# KiCad board SevenSegment.kicad_pcb (continued)
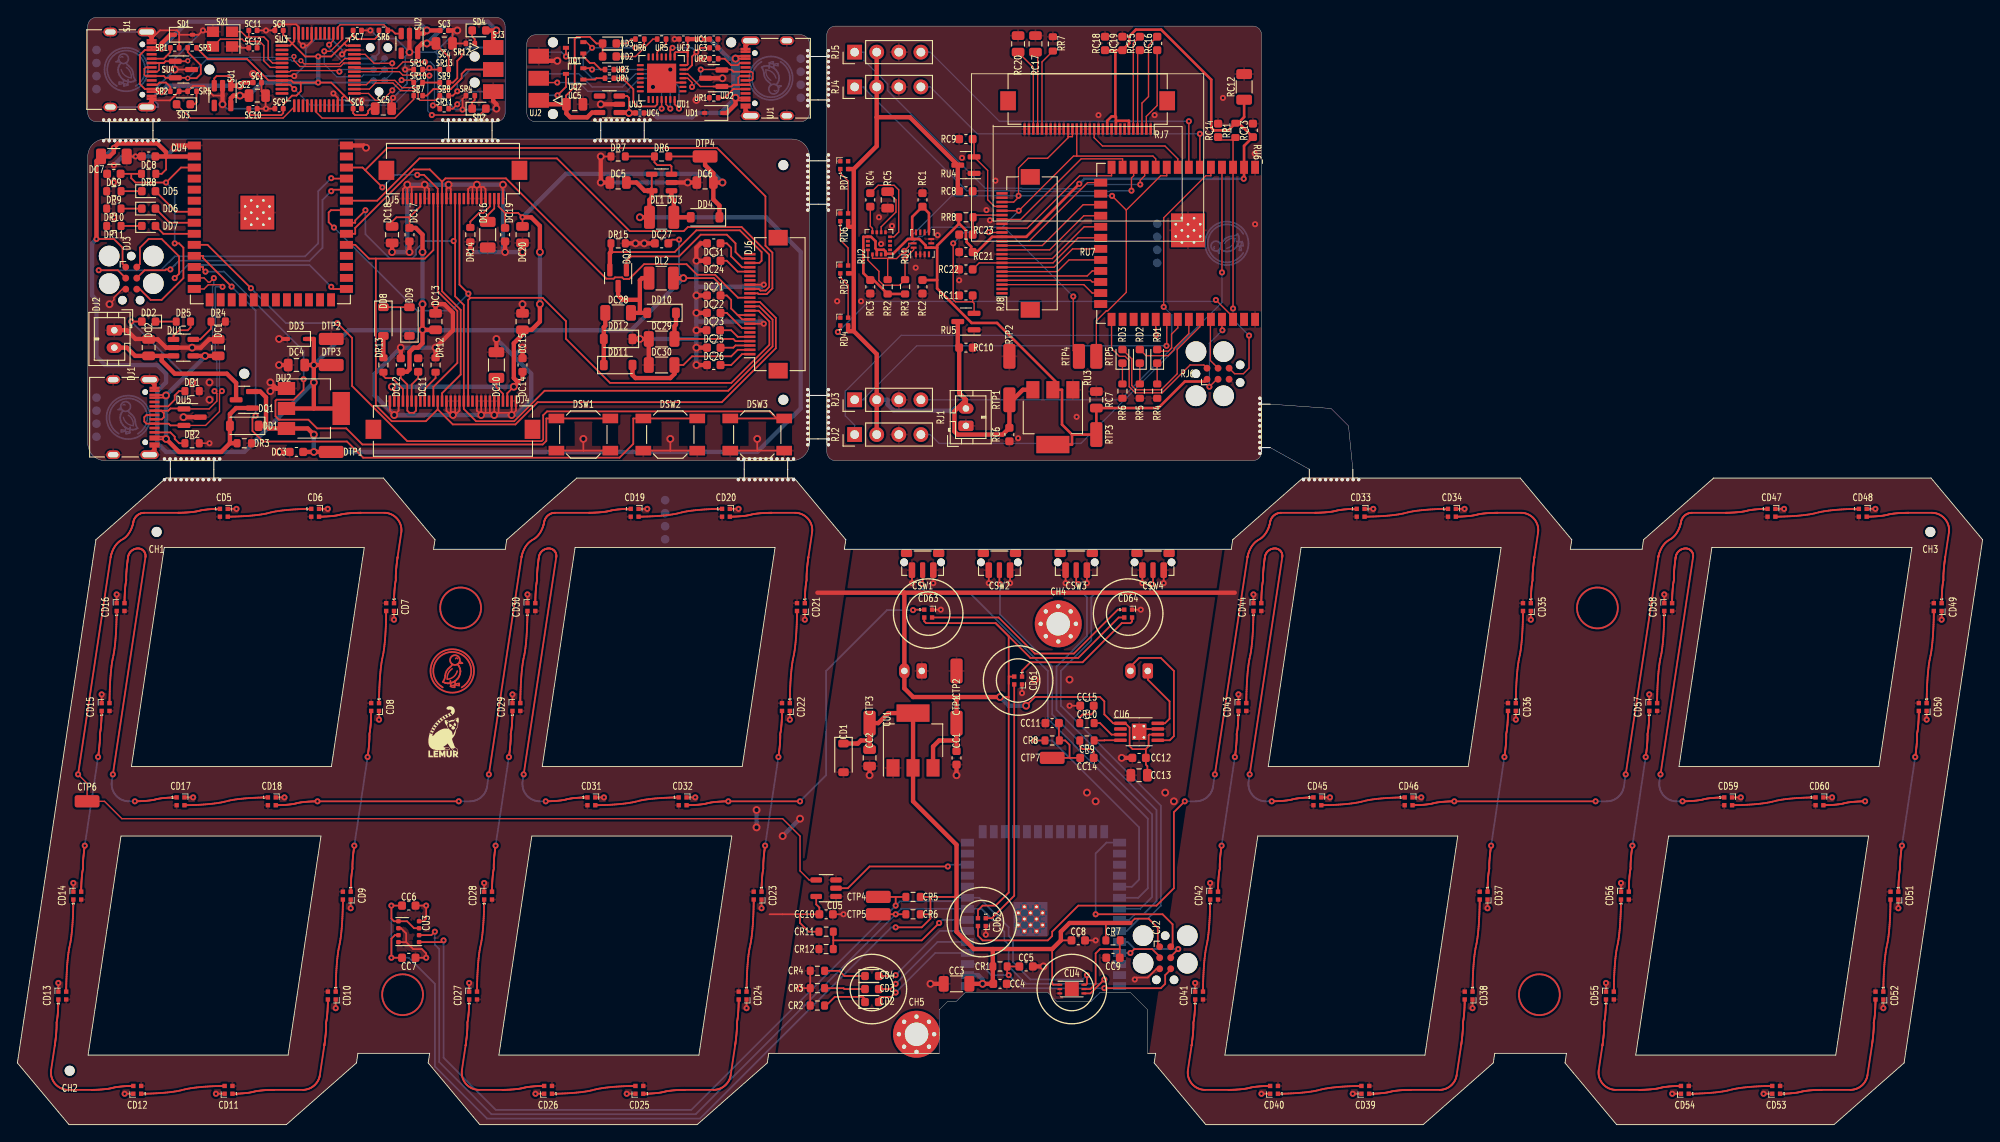
[diagram p0: board, top side]
## Library data of the parts (continued)
RC11 = -: edg_path: reg_1v2.out_cap.cap; edg_refdes: RC11; edg_short_path: reg_1v2.out_cap
RC12 = -: edg_path: mcu.vcc_cap0.cap; edg_refdes: RC12; edg_short_path: mcu.vcc_cap0
RC13 = -: edg_path: mcu.vcc_cap1.cap; edg_refdes: RC13; edg_short_path: mcu.vcc_cap1
RC14 = -: edg_path: mcu.en_pull.rc.c; edg_refdes: RC14; edg_short_path: mcu.en_pull.c
RC15 = -: edg_path: oled.c1_cap; edg_refdes: RC15; edg_short_path: oled.c1_cap
RC16 = -: edg_path: oled.c2_cap; edg_refdes: RC16; edg_short_path: oled.c2_cap
RC17 = -: edg_path: oled.vcomh_cap.cap; edg_refdes: RC17; edg_short_path: oled.vcomh_cap
RC18 = -: edg_path: oled.vdd_cap1.cap; edg_refdes: RC18; edg_short_path: oled.vdd_cap1
RC19 = -: edg_path: oled.vbat_cap.cap; edg_refdes: RC19; edg_short_path: oled.vbat_cap
RC20 = -: edg_path: oled.vcc_cap.cap; edg_refdes: RC20; edg_short_path: oled.vcc_cap
RC21 = -: edg_path: cam.dovdd_cap.cap; edg_refdes: RC21; edg_short_path: cam.dovdd_cap
RC22 = -: edg_path: cam.pclk_cap; edg_refdes: RC22; edg_short_path: cam.pclk_cap
RC23 = -: edg_path: cam.reset_cap; edg_refdes: RC23; edg_short_path: cam.reset_cap
RD1 = -: edg_path: ledr.package; edg_refdes: RD1; edg_short_path: ledr.package
RD2 = -: edg_path: ledg.package; edg_refdes: RD2; edg_short_path: ledg.package
RD3 = -: edg_path: ledb.package; edg_refdes: RD3; edg_short_path: ledb.package
RD4 = -: edg_path: rgbs.led[0]; edg_refdes: RD4; edg_short_path: rgbs.led[0]
RD5 = -: edg_path: rgbs.led[1]; edg_refdes: RD5; edg_short_path: rgbs.led[1]
RD6 = -: edg_path: rgbs.led[2]; edg_refdes: RD6; edg_short_path: rgbs.led[2]
RD7 = -: edg_path: rgbs.led[3]; edg_refdes: RD7; edg_short_path: rgbs.led[3]
RJ1 = -: edg_path: batt.conn; edg_refdes: RJ1; edg_short_path: batt
RJ2 = -: edg_path: servo1.conn; edg_refdes: RJ2; edg_short_path: servo1
RJ3 = -: edg_path: servo2.conn; edg_refdes: RJ3; edg_short_path: servo2
RJ4 = -: edg_path: servo3.conn; edg_refdes: RJ4; edg_short_path: servo3
RJ5 = -: edg_path: servo4.conn; edg_refdes: RJ5; edg_short_path: servo4
RJ6 = -: edg_path: mcu.prog.conn; edg_refdes: RJ6; edg_short_path: mcu.prog
RJ7 = -: edg_path: oled.device.conn; edg_refdes: RJ7; edg_short_path: oled.device.conn
RJ8 = -: edg_path: cam.device.conn; edg_refdes: RJ8; edg_short_path: cam.device
RR1 = -: edg_path: mcu.en_pull.rc.r; edg_refdes: RR1; edg_short_path: mcu.en_pull.r
RR2 = -: edg_path: i2c_pull.scl_res.res; edg_refdes: RR2; edg_short_path: i2c_pull.scl_res
RR3 = -: edg_path: i2c_pull.sda_res.res; edg_refdes: RR3; edg_short_path: i2c_pull.sda_res
RR4 = -: edg_path: ledr.res; edg_refdes: RR4; edg_short_path: ledr.res
RR5 = -: edg_path: ledg.res; edg_refdes: RR5; edg_short_path: ledg.res
RR6 = -: edg_path: ledb.res; edg_refdes: RR6; edg_short_path: ledb.res
RR7 = -: edg_path: oled.iref_res; edg_refdes: RR7; edg_short_path: oled.iref_res
RR8 = -: edg_path: cam.reset_pull.res; edg_refdes: RR8; edg_short_path: cam.reset_pull
RTP1 = -: edg_part: 5015 (Keystone); edg_path: tp_vbatt.tp; edg_refdes: RTP1; edg_short_path: tp_vbatt
RTP2 = -: edg_part: 5015 (Keystone); edg_path: tp_gnd.tp; edg_refdes: RTP2; edg_short_path: tp_gnd
RTP3 = -: edg_part: 5015 (Keystone); edg_path: tp_3v3.tp; edg_refdes: RTP3; edg_short_path: tp_3v3
RTP4 = -: edg_part: 5015 (Keystone); edg_path: i2c_tp.tp_scl.tp; edg_refdes: RTP4; edg_short_path: i2c_tp.tp_scl
RTP5 = -: edg_part: 5015 (Keystone); edg_path: i2c_tp.tp_sda.tp; edg_refdes: RTP5; edg_short_path: i2c_tp.tp_sda
RU1 = -: edg_path: imu.ic; edg_refdes: RU1; edg_short_path: imu.ic
RU2 = -: edg_path: compass.ic; edg_refdes: RU2; edg_short_path: compass.ic
RU3 = -: edg_path: reg_3v3.ic; edg_refdes: RU3; edg_short_path: reg_3v3.ic
RU4 = -: edg_path: reg_2v5.ic; edg_refdes: RU4; edg_short_path: reg_2v5.ic
RU5 = -: edg_path: reg_1v2.ic; edg_refdes: RU5; edg_short_path: reg_1v2.ic
RU6 = -: edg_path: mcu.ic; edg_refdes: RU6; edg_short_path: mcu.ic
RU7 = -: edg_path: oled.device.lcd; edg_refdes: RU7; edg_short_path: oled.device.lcd
SC1 = -: edg_part: CL05A105KA5NQNC (Samsung Electro-Mechanics); edg_path: usb_reg.in_cap.cap; edg_refdes: SC1; edg_short_path: usb_reg.in_cap
SC2 = -: edg_part: CL21A475KAQNNNE (Samsung Electro-Mechanics); edg_path: usb_reg.out_cap.cap; edg_refdes: SC2; edg_short_path: usb_reg.out_cap
SC3 = -: edg_part: CL05A105KA5NQNC (Samsung Electro-Mechanics); edg_path: target_reg.in_cap.cap; edg_refdes: SC3; edg_short_path: target_reg.in_cap
SC4 = -: edg_part: CL21A475KAQNNNE (Samsung Electro-Mechanics); edg_path: target_reg.out_cap.cap; edg_refdes: SC4; edg_short_path: target_reg.out_cap
SC5 = -: edg_part: CL21A475KAQNNNE (Samsung Electro-Mechanics); edg_path: mcu.pwr_cap[0].cap; edg_refdes: SC5; edg_short_path: mcu.pwr_cap[0]
SC6 = -: edg_part: CL05B104KO5NNNC (Samsung Electro-Mechanics); edg_path: mcu.pwr_cap[1].cap; edg_refdes: SC6; edg_short_path: mcu.pwr_cap[1]
SC7 = -: edg_part: CL05B104KO5NNNC (Samsung Electro-Mechanics); edg_path: mcu.pwr_cap[2].cap; edg_refdes: SC7; edg_short_path: mcu.pwr_cap[2]
SC8 = -: edg_part: CL05B104KO5NNNC (Samsung Electro-Mechanics); edg_path: mcu.pwr_cap[3].cap; edg_refdes: SC8; edg_short_path: mcu.pwr_cap[3]
SC9 = -: edg_part: CL05B103KB5NNNC (Samsung Electro-Mechanics); edg_path: mcu.vdda_cap_0.cap; edg_refdes: SC9; edg_short_path: mcu.vdda_cap_0
SC10 = -: edg_part: CL05A105KA5NQNC (Samsung Electro-Mechanics); edg_path: mcu.vdda_cap_1.cap; edg_refdes: SC10; edg_short_path: mcu.vdda_cap_1
SC11 = -: edg_part: 0402CG180J500NT (FH(Guangdong Fenghua Advanced Tech)); edg_path: mcu.crystal.cap_a; edg_refdes: SC11; edg_short_path: mcu.crystal.cap_a
SC12 = -: edg_part: 0402CG180J500NT (FH(Guangdong Fenghua Advanced Tech)); edg_path: mcu.crystal.cap_b; edg_refdes: SC12; edg_short_path: mcu.crystal.cap_b
SD1 = -: edg_part: BZT52-B5V6S_R1_00001 (PANJIT International); edg_path: vusb_protect.diode; edg_refdes: SD1; edg_short_path: vusb_protect
SD2 = -: edg_part: 19-213/Y2C-CQ2R2L/3T(CY) (Everlight Elec); edg_path: led_tgt.package; edg_refdes: SD2; edg_short_path: led_tgt.package
SD3 = -: edg_part: C2290 (Hubei KENTO Elec); edg_path: led_usb.package; edg_refdes: SD3; edg_short_path: led_usb.package
SD4 = -: edg_part: 19-217/GHC-YR1S2/3T (Everlight Elec); edg_path: led_target.package; edg_refdes: SD4; edg_short_path: led_target.package
SH1 = -: edg_path: jlc_th.th1; edg_refdes: SH1; edg_short_path: jlc_th.th1
SH2 = -: edg_path: jlc_th.th2; edg_refdes: SH2; edg_short_path: jlc_th.th2
SH3 = -: edg_path: jlc_th.th3; edg_refdes: SH3; edg_short_path: jlc_th.th3
SJ1 = -: edg_path: usb.conn; edg_refdes: SJ1; edg_short_path: usb.conn
SJ2 = -: edg_path: mcu.swd.conn; edg_refdes: SJ2; edg_short_path: mcu.swd
SJ3 = -: edg_path: target.conn; edg_refdes: SJ3; edg_short_path: target
SR1 = -: edg_part: 0402WGF5101TCE (UNI-ROYAL(Uniroyal Elec)); edg_path: usb.cc_pull.cc1.res; edg_refdes: SR1; edg_short_path: usb.cc_pull.cc1
SR2 = -: edg_part: 0402WGF5101TCE (UNI-ROYAL(Uniroyal Elec)); edg_path: usb.cc_pull.cc2.res; edg_refdes: SR2; edg_short_path: usb.cc_pull.cc2
SR3 = -: edg_part: 0402WGF1501TCE (UNI-ROYAL(Uniroyal Elec)); edg_path: mcu.usb_pull.dp; edg_refdes: SR3; edg_short_path: mcu.usb_pull
SR4 = -: edg_part: 0402WGF2401TCE (UNI-ROYAL(Uniroyal Elec)); edg_path: led_tgt.res; edg_refdes: SR4; edg_short_path: led_tgt.res
SR5 = -: edg_part: 0402WGF2401TCE (UNI-ROYAL(Uniroyal Elec)); edg_path: led_usb.res; edg_refdes: SR5; edg_short_path: led_usb.res
SR6 = -: edg_part: 0402WGF4701TCE (UNI-ROYAL(Uniroyal Elec)); edg_path: en_pull.res; edg_refdes: SR6; edg_short_path: en_pull
SR7 = -: edg_part: 0402WGF220JTCE (UNI-ROYAL(Uniroyal Elec)); edg_path: target_drv.reset_res; edg_refdes: SR7; edg_short_path: target_drv.reset_res
SR8 = -: edg_part: 0402WGF220JTCE (UNI-ROYAL(Uniroyal Elec)); edg_path: target_drv.swclk_res; edg_refdes: SR8; edg_short_path: target_drv.swclk_res
SR9 = -: edg_part: 0402WGF220JTCE (UNI-ROYAL(Uniroyal Elec)); edg_path: target_drv.swdio_res; edg_refdes: SR9; edg_short_path: target_drv.swdio_res
SR10 = -: edg_part: 0402WGF1000TCE (UNI-ROYAL(Uniroyal Elec)); edg_path: target_drv.swdio_drv_res; edg_refdes: SR10; edg_short_path: target_drv.swdio_drv_res
SR11 = -: edg_part: 0402WGF220JTCE (UNI-ROYAL(Uniroyal Elec)); edg_path: target_drv.swo_res; edg_refdes: SR11; edg_short_path: target_drv.swo_res
SR12 = -: edg_part: 0402WGF2401TCE (UNI-ROYAL(Uniroyal Elec)); edg_path: led_target.res; edg_refdes: SR12; edg_short_path: led_target.res
SR13 = -: edg_part: 0402WGF4701TCE (UNI-ROYAL(Uniroyal Elec)); edg_path: target_sense.div.top_res; edg_refdes: SR13; edg_short_path: target_sense.top_res
SR14 = -: edg_part: 0402WGF4701TCE (UNI-ROYAL(Uniroyal Elec)); edg_path: target_sense.div.bottom_res; edg_refdes: SR14; edg_short_path: target_sense.bottom_res
SU1 = -: edg_path: usb_reg.ic; edg_refdes: SU1; edg_short_path: usb_reg.ic
SU2 = -: edg_path: target_reg.ic; edg_refdes: SU2; edg_short_path: target_reg.ic
SU3 = -: edg_path: mcu.ic; edg_refdes: SU3; edg_short_path: mcu.ic
SU4 = -: edg_path: usb_esd; edg_refdes: SU4; edg_short_path: usb_esd
SX1 = -: edg_part: X32258MOB4SI (Yangxing Tech); edg_path: mcu.crystal.package; edg_refdes: SX1; edg_short_path: mcu.crystal.package
UC1 = -: edg_part: CL05A105KA5NQNC (Samsung Electro-Mechanics); edg_path: usbconv.regin_cap0.cap; edg_refdes: UC1; edg_short_path: usbconv.regin_cap0
UC2 = -: edg_part: CL05B104KO5NNNC (Samsung Electro-Mechanics); edg_path: usbconv.regin_cap1.cap; edg_refdes: UC2; edg_short_path: usbconv.regin_cap1
UC3 = -: edg_part: CL05A105KA5NQNC (Samsung Electro-Mechanics); edg_path: usbconv.vdd_cap.cap; edg_refdes: UC3; edg_short_path: usbconv.vdd_cap
UC4 = -: edg_part: CL05A105KA5NQNC (Samsung Electro-Mechanics); edg_path: reg_3v3.ic.in_cap.cap; edg_refdes: UC4; edg_short_path: reg_3v3.in_cap
UC5 = -: edg_part: CL21A475KAQNNNE (Samsung Electro-Mechanics); edg_path: reg_3v3.ic.out_cap.cap; edg_refdes: UC5; edg_short_path: reg_3v3.out_cap
UD1 = -: edg_part: BZT52-B5V6S_R1_00001 (PANJIT International); edg_path: vusb_protect.diode; edg_refdes: UD1; edg_short_path: vusb_protect
UD2 = -: edg_part: C2290 (Hubei KENTO Elec); edg_path: led.package; edg_refdes: UD2; edg_short_path: led.package
UD3 = -: edg_part: KT-0603R (Hubei KENTO Elec); edg_path: led_en.package; edg_refdes: UD3; edg_short_path: led_en.package
UH1 = -: edg_path: jlc_th.th1; edg_refdes: UH1; edg_short_path: jlc_th.th1
UH2 = -: edg_path: jlc_th.th2; edg_refdes: UH2; edg_short_path: jlc_th.th2
UH3 = -: edg_path: jlc_th.th3; edg_refdes: UH3; edg_short_path: jlc_th.th3
UJ1 = -: edg_path: usb_uart.conn; edg_refdes: UJ1; edg_short_path: usb_uart.conn
UJ2 = -: edg_path: out.conn; edg_refdes: UJ2; edg_short_path: out
UQ1 = -: edg_part: BC847AW 1E (CBI); edg_path: auto.q_en; edg_refdes: UQ1; edg_short_path: auto.q_en
UQ2 = -: edg_part: BC847AW 1E (CBI); edg_path: auto.q_boot; edg_refdes: UQ2; edg_short_path: auto.q_boot
UR1 = -: edg_part: 0402WGF5101TCE (UNI-ROYAL(Uniroyal Elec)); edg_path: usb_uart.cc_pull.cc1.res; edg_refdes: UR1; edg_short_path: usb_uart.cc_pull.cc1
UR2 = -: edg_part: 0402WGF5101TCE (UNI-ROYAL(Uniroyal Elec)); edg_path: usb_uart.cc_pull.cc2.res; edg_refdes: UR2; edg_short_path: usb_uart.cc_pull.cc2
UR3 = -: edg_part: 0402WGF1002TCE (UNI-ROYAL(Uniroyal Elec)); edg_path: auto.dtr_res; edg_refdes: UR3; edg_short_path: auto.dtr_res
UR4 = -: edg_part: 0402WGF1002TCE (UNI-ROYAL(Uniroyal Elec)); edg_path: auto.rts_res; edg_refdes: UR4; edg_short_path: auto.rts_res
UR5 = -: edg_part: 0402WGF2401TCE (UNI-ROYAL(Uniroyal Elec)); edg_path: led.res; edg_refdes: UR5; edg_short_path: led.res
UR6 = -: edg_part: 0402WGF2401TCE (UNI-ROYAL(Uniroyal Elec)); edg_path: led_en.res; edg_refdes: UR6; edg_short_path: led_en.res
UU1 = -: edg_path: usbconv.ic; edg_refdes: UU1; edg_short_path: usbconv.ic
UU2 = -: edg_path: usb_esd; edg_refdes: UU2; edg_short_path: usb_esd
UU3 = -: edg_path: reg_3v3.ic.ic; edg_refdes: UU3; edg_short_path: reg_3v3.ic
UU4 UU4#2-UU4#5 = -: edg_path: duck; edg_refdes: UU4; edg_short_path: duck
UU5 UU5#2-UU5#5 = -: edg_path: lemur; edg_refdes: UU5; edg_short_path: lemur
UU6 UU6#2-UU6#5 = -: edg_path: id; edg_refdes: UU6; edg_short_path: id

## Footprints (pads in the part's own frame, mm; a bottom-side part is the same pattern mirrored in y, then rotated)
Bosch_LGA-8_3x3mm_P0.8mm_ClockwisePinNumbering
  rrect 0.5x0.525 smd: 1(-1.2,1.188) 2(-0.4,1.188) 3(0.4,1.188) 4(1.2,1.188) 5(1.2,-1.188) 6(0.4,-1.188) 7(-0.4,-1.188) 8(-1.2,-1.188)
Bosch_LGA-14_3x2.5mm_P0.5mm
  rect 0.675x0.25 smd: 1(-1.262,0.75) 2(-1.262,0.25) 3(-1.262,-0.25) 4(-1.262,-0.75) 8(1.262,-0.75) 9(1.262,-0.25) 10(1.262,0.25) 11(1.262,0.75)
  rect 0.25x0.675 smd: 5(-0.5,-1.012) 6(0,-1.012) 7(0.5,-1.012) 12(0.5,1.012) 13(0,1.012) 14(-0.5,1.012)
C_0402_1005Metric
  rrect 0.56x0.62 smd: 1(-0.48,0) 2(0.48,0)
C_0603_1608Metric
  rrect 0.9x0.95 smd: 1(-0.775,0) 2(0.775,0)
C_0805_2012Metric
  rrect 1x1.45 smd: 1(-0.95,0) 2(0.95,0)
C_1206_3216Metric
  rrect 1.15x1.8 smd: 1(-1.475,0) 2(1.475,0)
Crystal_SMD_3225-4Pin_3.2x2.5mm
  rect 1.4x1.2 smd: 1(-1.1,-0.85) 2(1.1,-0.85) 3(1.1,0.85) 4(-1.1,0.85)
D_SOD-123
  rrect 0.9x1.2 smd: 1(-1.65,0) 2(1.65,0)
D_SOD-323
  rrect 0.6x0.45 smd: 1(-1.05,0) 2(1.05,0)
ESP32-S3-WROOM-1
  rect 0.9x0.9 smd: (-2.9,-1.06) (-2.9,-2.46) (-2.9,-3.86) (-1.5,-1.06) (-1.5,-2.46) (-1.5,-3.86) (-0.1,-1.06) (-0.1,-2.46) (-0.1,-3.86)
  rect 1.5x0.9 smd: 1(-8.75,5.26) 2(-8.75,3.99) 3(-8.75,2.72) 4(-8.75,1.45) 5(-8.75,0.18) 6(-8.75,-1.09) 7(-8.75,-2.36) 8(-8.75,-3.63) 9(-8.75,-4.9) 10(-8.75,-6.17) 11(-8.75,-7.44) 12(-8.75,-8.71) 13(-8.75,-9.98) 14(-8.75,-11.25) 27(8.75,-11.25) 28(8.75,-9.98) 29(8.75,-8.71) 30(8.75,-7.44) 31(8.75,-6.17) 32(8.75,-4.9) 33(8.75,-3.63) 34(8.75,-2.36) 35(8.75,-1.09) 36(8.75,0.18) 37(8.75,1.45) 38(8.75,2.72) 39(8.75,3.99) 40(8.75,5.26)
  rect 0.9x1.5 smd: 15(-6.985,-12.5) 16(-5.715,-12.5) 17(-4.445,-12.5) 18(-3.175,-12.5) 19(-1.905,-12.5) 20(-0.635,-12.5) 21(0.635,-12.5) 22(1.905,-12.5) 23(3.175,-12.5) 24(4.445,-12.5) 25(5.715,-12.5) 26(6.985,-12.5)
  round 0.6 hole 0.3: 41(-2.9,-1.76) 41(-2.9,-3.16) 41(-2.2,-1.06) 41(-2.2,-2.46) 41(-2.2,-3.86) 41(-1.5,-1.76) 41(-1.5,-3.16) 41(-0.8,-1.06) 41(-0.8,-2.46) 41(-0.8,-3.86) 41(-0.1,-1.76) 41(-0.1,-3.16)
  rect 3.9x3.9 smd: 41(-1.5,-2.46)
HalfMouseBites_Recessed
  round 0.38 hole 0.38 unplated: (-3.175,1.19) (-2.54,1.19) (-1.905,1.19) (-1.27,1.19) (-0.635,1.19) (0,1.19) (0.635,1.19) (1.27,1.19) (1.905,1.19) (2.54,1.19) (3.175,1.19)
Hirose_FH12-24S-0.5SH_1x24-1MP_P0.50mm_Horizontal
  rect 0.3x1.3 smd: 1(-5.75,1.85) 2(-5.25,1.85) 3(-4.75,1.85) 4(-4.25,1.85) 5(-3.75,1.85) 6(-3.25,1.85) 7(-2.75,1.85) 8(-2.25,1.85) 9(-1.75,1.85) 10(-1.25,1.85) 11(-0.75,1.85) 12(-0.25,1.85) 13(0.25,1.85) 14(0.75,1.85) 15(1.25,1.85) 16(1.75,1.85) 17(2.25,1.85) 18(2.75,1.85) 19(3.25,1.85) 20(3.75,1.85) 21(4.25,1.85) 22(4.75,1.85) 23(5.25,1.85) 24(5.75,1.85)
  rect 1.8x2.2 smd: MP(-7.65,-1.4) MP(7.65,-1.4)
Hirose_FH12-30S-0.5SH_1x30-1MP_P0.50mm_Horizontal
  rect 0.3x1.3 smd: 1(-7.25,1.85) 2(-6.75,1.85) 3(-6.25,1.85) 4(-5.75,1.85) 5(-5.25,1.85) 6(-4.75,1.85) 7(-4.25,1.85) 8(-3.75,1.85) 9(-3.25,1.85) 10(-2.75,1.85) 11(-2.25,1.85) 12(-1.75,1.85) 13(-1.25,1.85) 14(-0.75,1.85) 15(-0.25,1.85) 16(0.25,1.85) 17(0.75,1.85) 18(1.25,1.85) 19(1.75,1.85) 20(2.25,1.85) 21(2.75,1.85) 22(3.25,1.85) 23(3.75,1.85) 24(4.25,1.85) 25(4.75,1.85) 26(5.25,1.85) 27(5.75,1.85) 28(6.25,1.85) 29(6.75,1.85) 30(7.25,1.85)
  rect 1.8x2.2 smd: MP(-9.15,-1.4) MP(9.15,-1.4)
HVSOF6
  rect 0.55x0.25 smd: 1(-1.38,0.5) 2(-1.38,0) 3(-1.38,-0.5) 4(1.38,-0.5) 5(1.38,0) 6(1.38,0.5)
  rect 1.6x1.6 smd: 7(0,0)
JlcToolingHole_1.152mm
  round 1.152 hole 1.152 unplated: (0,0)
JST_PH_B2B-PH-K_1x02_P2.00mm_Vertical
  rrect 1.2x1.75 hole 0.75: 1(0,0)
  oval 1.2x1.75 hole 0.75: 2(2,0)
L_1210_3225Metric
  rrect 1.25x2.65 smd: 1(-1.4,0) 2(1.4,0)
LED_0603_1608Metric
  rrect 0.875x0.95 smd: 1(-0.787,0) 2(0.787,0)
LED_SK6812_EC15_1.5x1.5mm
  rect 0.5x0.5 smd: 1(-0.45,0.45) 2(-0.45,-0.45) 3(0.45,-0.45) 4(0.45,0.45)
LGA-16_3x3mm_P0.5mm
  rect 0.45x0.3 smd: 1(-1.275,0.75) 2(-1.275,0.25) 3(-1.275,-0.25) 4(-1.275,-0.75) 9(1.275,-0.75) 10(1.275,-0.25) 11(1.275,0.25) 12(1.275,0.75)
  rect 0.3x0.45 smd: 5(-0.75,-1.275) 6(-0.25,-1.275) 7(0.25,-1.275) 8(0.75,-1.275) 13(0.75,1.275) 14(0.25,1.275) 15(-0.25,1.275) 16(-0.75,1.275)
LQFP-48_7x7mm_P0.5mm
  rrect 1.475x0.3 smd: 1(-4.162,2.75) 2(-4.162,2.25) 3(-4.162,1.75) 4(-4.162,1.25) 5(-4.162,0.75) 6(-4.162,0.25) 7(-4.162,-0.25) 8(-4.162,-0.75) 9(-4.162,-1.25) 10(-4.162,-1.75) 11(-4.162,-2.25) 12(-4.162,-2.75) 25(4.162,-2.75) 26(4.162,-2.25) 27(4.162,-1.75) 28(4.162,-1.25) 29(4.162,-0.75) 30(4.162,-0.25) 31(4.162,0.25) 32(4.162,0.75) 33(4.162,1.25) 34(4.162,1.75) 35(4.162,2.25) 36(4.162,2.75)
  rrect 0.3x1.475 smd: 13(-2.75,-4.162) 14(-2.25,-4.162) 15(-1.75,-4.162) 16(-1.25,-4.162) 17(-0.75,-4.162) 18(-0.25,-4.162) 19(0.25,-4.162) 20(0.75,-4.162) 21(1.25,-4.162) 22(1.75,-4.162) 23(2.25,-4.162) 24(2.75,-4.162) 37(2.75,4.162) 38(2.25,4.162) 39(1.75,4.162) 40(1.25,4.162) 41(0.75,4.162) 42(0.25,4.162) 43(-0.25,4.162) 44(-0.75,4.162) 45(-1.25,4.162) 46(-1.75,4.162) 47(-2.25,4.162) 48(-2.75,4.162)
MountingHole_2.7mm_M2.5_Pad_Via
  round 0.8 hole 0.5: 1(-2.025,0) 1(-1.432,1.432) 1(-1.432,-1.432) 1(0,2.025) 1(0,-2.025) 1(1.432,1.432) 1(1.432,-1.432) 1(2.025,0)
  round 5.4 hole 2.7: 1(0,0)
MSOP-8-1EP_3x3mm_P0.65mm_EP1.68x1.88mm_ThermalVias
  rrect 0.7x0.79 smd: (-0.42,0.47) (-0.42,-0.47) (0.42,0.47) (0.42,-0.47)
  rrect 1.45x0.4 smd: 1(-2.15,0.975) 2(-2.15,0.325) 3(-2.15,-0.325) 4(-2.15,-0.975) 5(2.15,-0.975) 6(2.15,-0.325) 7(2.15,0.325) 8(2.15,0.975)
  round 0.5 hole 0.3: 9(-0.55,0.65) 9(-0.55,-0.65) 9(0.55,0.65) 9(0.55,-0.65)
  rect 1.6x1.8 smd far side: 9(0,0)
  rect 1.68x1.88 smd: 9(0,0)
PinHeader_1x04_P2.54mm_Vertical
  rect 1.7x1.7 hole 1: 1(0,0)
  oval 1.7x1.7 hole 1: 2(0,-2.54) 3(0,-5.08) 4(0,-7.62)
PinHeader_2x03_P2.54mm_EdgeInline
  rect 2.34x1.7 smd: 1(-1.37,2.54) 3(-1.37,0) 5(-1.37,-2.54)
  rect 2.34x1.7 smd far side: 2(-1.37,2.54) 4(-1.37,0) 6(-1.37,-2.54)
QFN-28-1EP_5x5mm_P0.5mm_EP3.35x3.35mm
  rrect 0.9x0.9 smd: (-1.12,1.12) (-1.12,0) (-1.12,-1.12) (0,1.12) (0,0) (0,-1.12) (1.12,1.12) (1.12,0) (1.12,-1.12)
  rrect 0.8x0.25 smd: 1(-2.45,1.5) 2(-2.45,1) 3(-2.45,0.5) 4(-2.45,0) 5(-2.45,-0.5) 6(-2.45,-1) 7(-2.45,-1.5) 15(2.45,-1.5) 16(2.45,-1) 17(2.45,-0.5) 18(2.45,0) 19(2.45,0.5) 20(2.45,1) 21(2.45,1.5)
  rrect 0.25x0.8 smd: 8(-1.5,-2.45) 9(-1,-2.45) 10(-0.5,-2.45) 11(0,-2.45) 12(0.5,-2.45) 13(1,-2.45) 14(1.5,-2.45) 22(1.5,2.45) 23(1,2.45) 24(0.5,2.45) 25(0,2.45) 26(-0.5,2.45) 27(-1,2.45) 28(-1.5,2.45)
  rect 3.35x3.35 smd: 29(0,0)
R_0402_1005Metric
  rrect 0.54x0.64 smd: 1(-0.51,0) 2(0.51,0)
R_0603_1608Metric
  rrect 0.8x0.95 smd: 1(-0.825,0) 2(0.825,0)
SOT-23
  rrect 1.475x0.6 smd: 1(-0.938,0.95) 2(-0.938,-0.95) 3(0.938,0)
SOT-23-5
  rrect 1.325x0.6 smd: 1(-1.137,0.95) 2(-1.137,0) 3(-1.137,-0.95) 4(1.137,-0.95) 5(1.137,0.95)
SOT-223-3_TabPin2
  rect 2x1.5 smd: 1(-3.15,2.3) 2(-3.15,0) 3(-3.15,-2.3)
  rect 2x3.8 smd: 2(3.15,0)
SOT-323_SC-70
  rect 0.7x0.45 smd: 1(-1,0.65) 2(-1,-0.65) 3(1,0)
SW_Push_1P1T-MP_NO_Horizontal_Alps_SKRTLAE010
  round 0.9 hole 0.9 unplated: (-2.125,0) (2.125,0)
  rrect 0.75x1.8 smd: 1(-1.225,0.9) 1(1.225,0.9)
  rrect 0.6x1.8 smd: 2(0,0.9)
  rrect 1.3x0.9 smd: MP(-1.85,-1.05) MP(1.85,-1.05)
SW_SPST_SKQG_WithoutStem
  rect 1.8x1.1 smd: 1(-3.1,1.85) 1(3.1,1.85) 2(-3.1,-1.85) 2(3.1,-1.85)
Tag-Connect_TC2030-IDC-FP_2x03_P1.27mm_Vertical
  round 2.375 hole 2.375 unplated: (-2.54,2.54) (-2.54,-2.54) (0.635,2.54) (0.635,-2.54)
  round 0.991 hole 0.991 unplated: (-2.54,0) (2.54,1.016) (2.54,-1.016)
  round 0.787 smd: 1(-1.27,-0.635) 2(-1.27,0.635) 3(0,-0.635) 4(0,0.635) 5(1.27,-0.635) 6(1.27,0.635)
Tag-Connect_TC2030-IDC-NL_2x03_P1.27mm_Vertical
  round 0.991 hole 0.991 unplated: (-2.54,0) (2.54,-1.016) (2.54,1.016)
  round 0.787 smd: 1(-1.27,-0.635) 2(-1.27,0.635) 3(0,-0.635) 4(0,0.635) 5(1.27,-0.635) 6(1.27,0.635)
TestPoint_TE_RCT_0805
  rrect 2.85x1.4 smd: 1(0,0)
USB_C_Receptacle_XKB_U262-16XN-4BVC11
  round 0.65 hole 0.65 unplated: (-2.89,2.605) (2.89,2.605)
  rect 0.3x1.15 smd: A1(-3.35,3.67) A4(-2.55,3.67) A5(-1.25,3.67) A6(-0.25,3.67) A7(0.25,3.67) A8(1.25,3.67) A9(2.55,3.67) A12(3.35,3.67) B1(3.05,3.67) B4(2.25,3.67) B5(1.75,3.67) B6(0.75,3.67) B7(-0.75,3.67) B8(-1.75,3.67) B9(-2.25,3.67) B12(-3.05,3.67)
  oval 1x2.1 hole 0.6x1.7: S1(-4.32,3.105) S1(4.32,3.105)
  oval 1x1.6 hole 0.6x1.2: S1(-4.32,-1.075) S1(4.32,-1.075)

## Nets
gnd: CC1.2 CC2.2 CC3.2 CC4.2 CC5.2 CC6.2 CC7.2 CC8.2 CC9.2 CC10.2 CC11.2 CC12.2 CC13.2 CC15.2 CD1.2 CD5.4 CD6.4 CD7.4 CD8.4 CD9.4 CD10.4 CD11.4 CD12.4 CD13.4 CD14.4 CD15.4 CD16.4 CD17.4 CD18.4 CD19.4 CD20.4 CD21.4 CD22.4 CD23.4 CD24.4 CD25.4 CD26.4 CD27.4 CD28.4 CD29.4 CD30.4 CD31.4 CD32.4 CD33.4 CD34.4 CD35.4 CD36.4 CD37.4 CD38.4 CD39.4 CD40.4 CD41.4 CD42.4 CD43.4 CD44.4 CD45.4 CD46.4 CD47.4 CD48.4 CD49.4 CD50.4 CD51.4 CD52.4 CD53.4 CD54.4 CD55.4 CD56.4 CD57.4 CD58.4 CD59.4 CD60.4 CD61.4 CD62.4 CD63.4 CD64.4 CJ1.1 CJ2.5 CR2.2 CR3.2 CR4.2 CR12.2 CSW1.1 CSW2.1 CSW3.1 CSW4.1 CTP2.1 CU1.1 CU2.1 CU2.40 CU2.41 CU3.1 CU3.5 CU3.7 CU4.2 CU4.3 CU5.1 CU5.3 CU6.7 CU6.9 DC1.2 DC2.2 DC3.2 DC4.2 DC5.2 DC6.2 DC7.2 DC8.2 DC9.2 DC10.2 DC11.2 DC12.2 DC13.2 DC14.2 DC15.2 DC16.2 DC17.2 DC18.2 DC19.2 DC20.2 DC21.2 DC22.2 DC23.2 DC24.2 DC25.1 DC26.2 DC27.2 DC29.2 DC30.1 DC31.1 DD3.2 DD9.1 DD12.1 DJ1.A1 DJ1.A12 DJ1.B1 DJ1.B12 DJ1.S1 DJ2.1 DJ3.5 DJ4.1 DJ4.3 DJ4.14 DJ4.15 DJ4.16 DJ4.17 DJ4.21 DJ4.22 DJ4.23 DJ4.24 DJ4.25 DJ4.26 DJ4.29 DJ4.30 DJ5.1 DJ5.5 DJ5.6 DJ5.7 DJ5.8 DJ5.9 DJ5.13 DJ5.14 DJ5.18 DJ5.19 DJ5.22 DJ5.23 DJ5.24 DJ6.8 DJ6.17 DR1.1 DR2.1 DR3.2 DR4.2 DR7.2 DR9.2 DR10.2 DR11.2 DR12.2 DR14.2 DR15.2 DSW1.2 DSW2.2 DSW3.2 DTP2.1 DU1.2 DU2.1 DU3.2 DU4.1 DU4.40 DU4.41 DU5.3 RC1.2 RC2.2 RC3.2 RC5.2 RC6.2 RC7.2 RC8.2 RC9.2 RC10.2 RC11.2 RC12.2 RC13.2 RC14.2 RC17.2 RC18.2 RC19.2 RC20.2 RC21.2 RC22.2 RC23.2 RD4.4 RD5.4 RD6.4 RD7.4 RJ1.1 RJ2.3 RJ3.3 RJ4.3 RJ5.3 RJ6.5 RJ7.1 RJ7.8 RJ7.10 RJ7.12 RJ7.13 RJ7.15 RJ7.16 RJ7.17 RJ7.21 RJ7.22 RJ7.23 RJ7.24 RJ7.25 RJ7.29 RJ7.30 RJ8.10 RJ8.17 RJ8.23 RR4.2 RR5.2 RR6.2 RR7.2 RTP2.1 RU1.1 RU1.2 RU1.3 RU1.6 RU1.7 RU2.9 RU2.11 RU3.1 RU4.1 RU5.1 RU6.1 RU6.40 RU6.41 SC1.2 SC2.2 SC3.2 SC4.2 SC5.2 SC6.2 SC7.2 SC8.2 SC9.2 SC10.2 SC11.2 SC12.2 SD1.2 SJ1.A1 SJ1.A12 SJ1.B1 SJ1.B12 SJ1.S1 SJ2.5 SJ3.5 SR1.1 SR2.1 SR4.2 SR5.2 SR12.2 SR14.2 SU1.2 SU2.2 SU3.8 SU3.23 SU3.35 SU3.44 SU3.47 SU4.3 SX1.2 SX1.4 UC1.2 UC2.2 UC3.2 UC4.2 UC5.2 UD1.2 UJ1.A1 UJ1.A12 UJ1.B1 UJ1.B12 UJ1.S1 UJ2.5 UR1.1 UR2.1 UU1.3 UU1.29 UU2.3 UU3.2
v1v2: RC11.1 RJ8.15 RU5.2
v2v5: RC9.1 RJ8.21 RU4.2
v3v3: CC2.1 CC3.1 CC4.1 CC6.1 CC7.1 CC8.1 CD1.1 CJ2.1 CR1.1 CR5.1 CR6.1 CR7.1 CTP3.1 CU1.2 CU2.2 CU3.2 CU3.6 CU3.8 CU4.1 DC4.1 DC7.1 DC8.1 DC12.1 DC13.1 DC17.1 DC18.1 DC21.1 DC27.1 DD3.1 DJ3.1 DJ4.5 DJ4.7 DJ5.20 DJ6.9 DJ6.10 DL2.1 DR8.1 DTP3.1 DU2.2 DU4.2 RC1.1 RC2.1 RC3.1 RC7.1 RC12.1 RC13.1 RC18.1 RC19.1 RC21.1 RJ6.1 RJ7.6 RJ7.9 RJ7.11 RJ8.14 RR1.1 RR2.1 RR3.1 RR8.1 RTP3.1 RU1.5 RU1.8 RU1.12 RU2.2 RU2.4 RU2.13 RU3.2 RU6.2 SC2.1 SC5.1 SC6.1 SC7.1 SC8.1 SC9.1 SC10.1 SJ2.1 SR3.1 SR6.1 SU1.5 SU3.1 SU3.9 SU3.24 SU3.36 SU3.48 UC5.1 UD2.2 UD3.2 UJ2.1 UU3.5
v5v_sense.output: CR11.2 CR12.1 CU2.7
v12: DC6.1 DC14.1 DC15.1 DC19.1 DC20.1 DD4.1 DJ4.2 DJ4.28 DJ5.2 DR6.1 DTP4.1
vbatt: DC2.1 DJ2.2 DQ1.3 DU1.3 RC6.1 RC8.1 RC10.1 RD4.2 RD5.2 RD6.2 RD7.2 RJ1.2 RJ2.2 RJ3.2 RJ4.2 RJ5.2 RTP1.1 RU3.3 RU4.3 RU5.3
als.dvi_res.b: CC9.1 CR7.2 CU4.5
auto.boot: UJ2.2 UQ2.3
auto.dtr_res.b: UQ1.1 UR3.2
auto.en: UJ2.6 UQ1.3
auto.rts_res.b: UQ2.1 UR4.2
cam.device.reset: RC23.1 RJ8.19 RR8.2
cam.href: RJ8.16 RU6.14
cam.pclk: RC22.1 RJ8.8 RU6.20
cam.vsync: RJ8.18 RU6.13
cam.xclk: RJ8.12 RU6.17
cam.y.0: RJ8.1
cam.y.1: RJ8.2
cam.y.2: RJ8.6 RU6.22
cam.y.3: RJ8.4 RU6.24
cam.y.4: RJ8.3 RU6.25
cam.y.5: RJ8.5 RU6.23
cam.y.6: RJ8.7 RU6.21
cam.y.7: RJ8.9 RU6.19
cam.y.8: RJ8.11 RU6.18
cam.y.9: RJ8.13 RU6.15
center.dout: CD33.1 CD62.3
center.led[0].dout: CD61.3 CD62.1
charge_led.res.a: DD2.1 DR5.1
charge_led.signal: DR5.2 DU1.1
charger.prog_res.a: DR4.1 DU1.5
compass.c1.pos: RC5.1 RU2.10
compass.drdy: RU2.15
compass.set_cap.neg: RC4.2 RU2.12
compass.set_cap.pos: RC4.1 RU2.8
digit[0].dout: CD18.3 CD19.1
digit[0].led[0].dout: CD5.3 CD6.1
digit[0].led[1].dout: CD6.3 CD7.1
digit[0].led[2].dout: CD7.3 CD8.1
digit[0].led[3].dout: CD8.3 CD9.1
digit[0].led[4].dout: CD9.3 CD10.1
digit[0].led[5].dout: CD10.3 CD11.1
digit[0].led[6].dout: CD11.3 CD12.1
digit[0].led[7].dout: CD12.3 CD13.1
digit[0].led[8].dout: CD13.3 CD14.1
digit[0].led[9].dout: CD14.3 CD15.1
digit[0].led[10].dout: CD15.3 CD16.1
digit[0].led[11].dout: CD16.3 CD17.1
digit[0].led[12].dout: CD17.3 CD18.1
digit[1].dout: CD32.3 CD63.1
digit[1].led[0].dout: CD19.3 CD20.1
digit[1].led[1].dout: CD20.3 CD21.1
digit[1].led[2].dout: CD21.3 CD22.1
digit[1].led[3].dout: CD22.3 CD23.1
digit[1].led[4].dout: CD23.3 CD24.1
digit[1].led[5].dout: CD24.3 CD25.1
digit[1].led[6].dout: CD25.3 CD26.1
digit[1].led[7].dout: CD26.3 CD27.1
digit[1].led[8].dout: CD27.3 CD28.1
digit[1].led[9].dout: CD28.3 CD29.1
digit[1].led[10].dout: CD29.3 CD30.1
digit[1].led[11].dout: CD30.3 CD31.1
digit[1].led[12].dout: CD31.3 CD32.1
digit[2].dout: CD46.3 CD47.1
digit[2].led[0].dout: CD33.3 CD34.1
digit[2].led[1].dout: CD34.3 CD35.1
digit[2].led[2].dout: CD35.3 CD36.1
digit[2].led[3].dout: CD36.3 CD37.1
digit[2].led[4].dout: CD37.3 CD38.1
digit[2].led[5].dout: CD38.3 CD39.1
digit[2].led[6].dout: CD39.3 CD40.1
digit[2].led[7].dout: CD40.3 CD41.1
digit[2].led[8].dout: CD41.3 CD42.1
digit[2].led[9].dout: CD42.3 CD43.1
digit[2].led[10].dout: CD43.3 CD44.1
digit[2].led[11].dout: CD44.3 CD45.1
digit[2].led[12].dout: CD45.3 CD46.1
digit[3].dout: CD60.3
digit[3].led[0].dout: CD47.3 CD48.1
digit[3].led[1].dout: CD48.3 CD49.1
digit[3].led[2].dout: CD49.3 CD50.1
digit[3].led[3].dout: CD50.3 CD51.1
digit[3].led[4].dout: CD51.3 CD52.1
digit[3].led[5].dout: CD52.3 CD53.1
digit[3].led[6].dout: CD53.3 CD54.1
digit[3].led[7].dout: CD54.3 CD55.1
digit[3].led[8].dout: CD55.3 CD56.1